# Altium PCB PT-PWR-EPS-002_v1.PcbDoc (part 1 of 3)
Units mm, origin at the board's own origin, x right, y up, seen from the top; angles counter-clockwise.
Board outline 95.89 x 90.17 mm, 4 copper layers (Top Layer, Ground Plane, Power Plane, Bottom Layer), stack 1.508 mm thick; 217 components, 132 nets, 791 pads, 383 vias.
Unrouted connection lines stored in the file: 21.
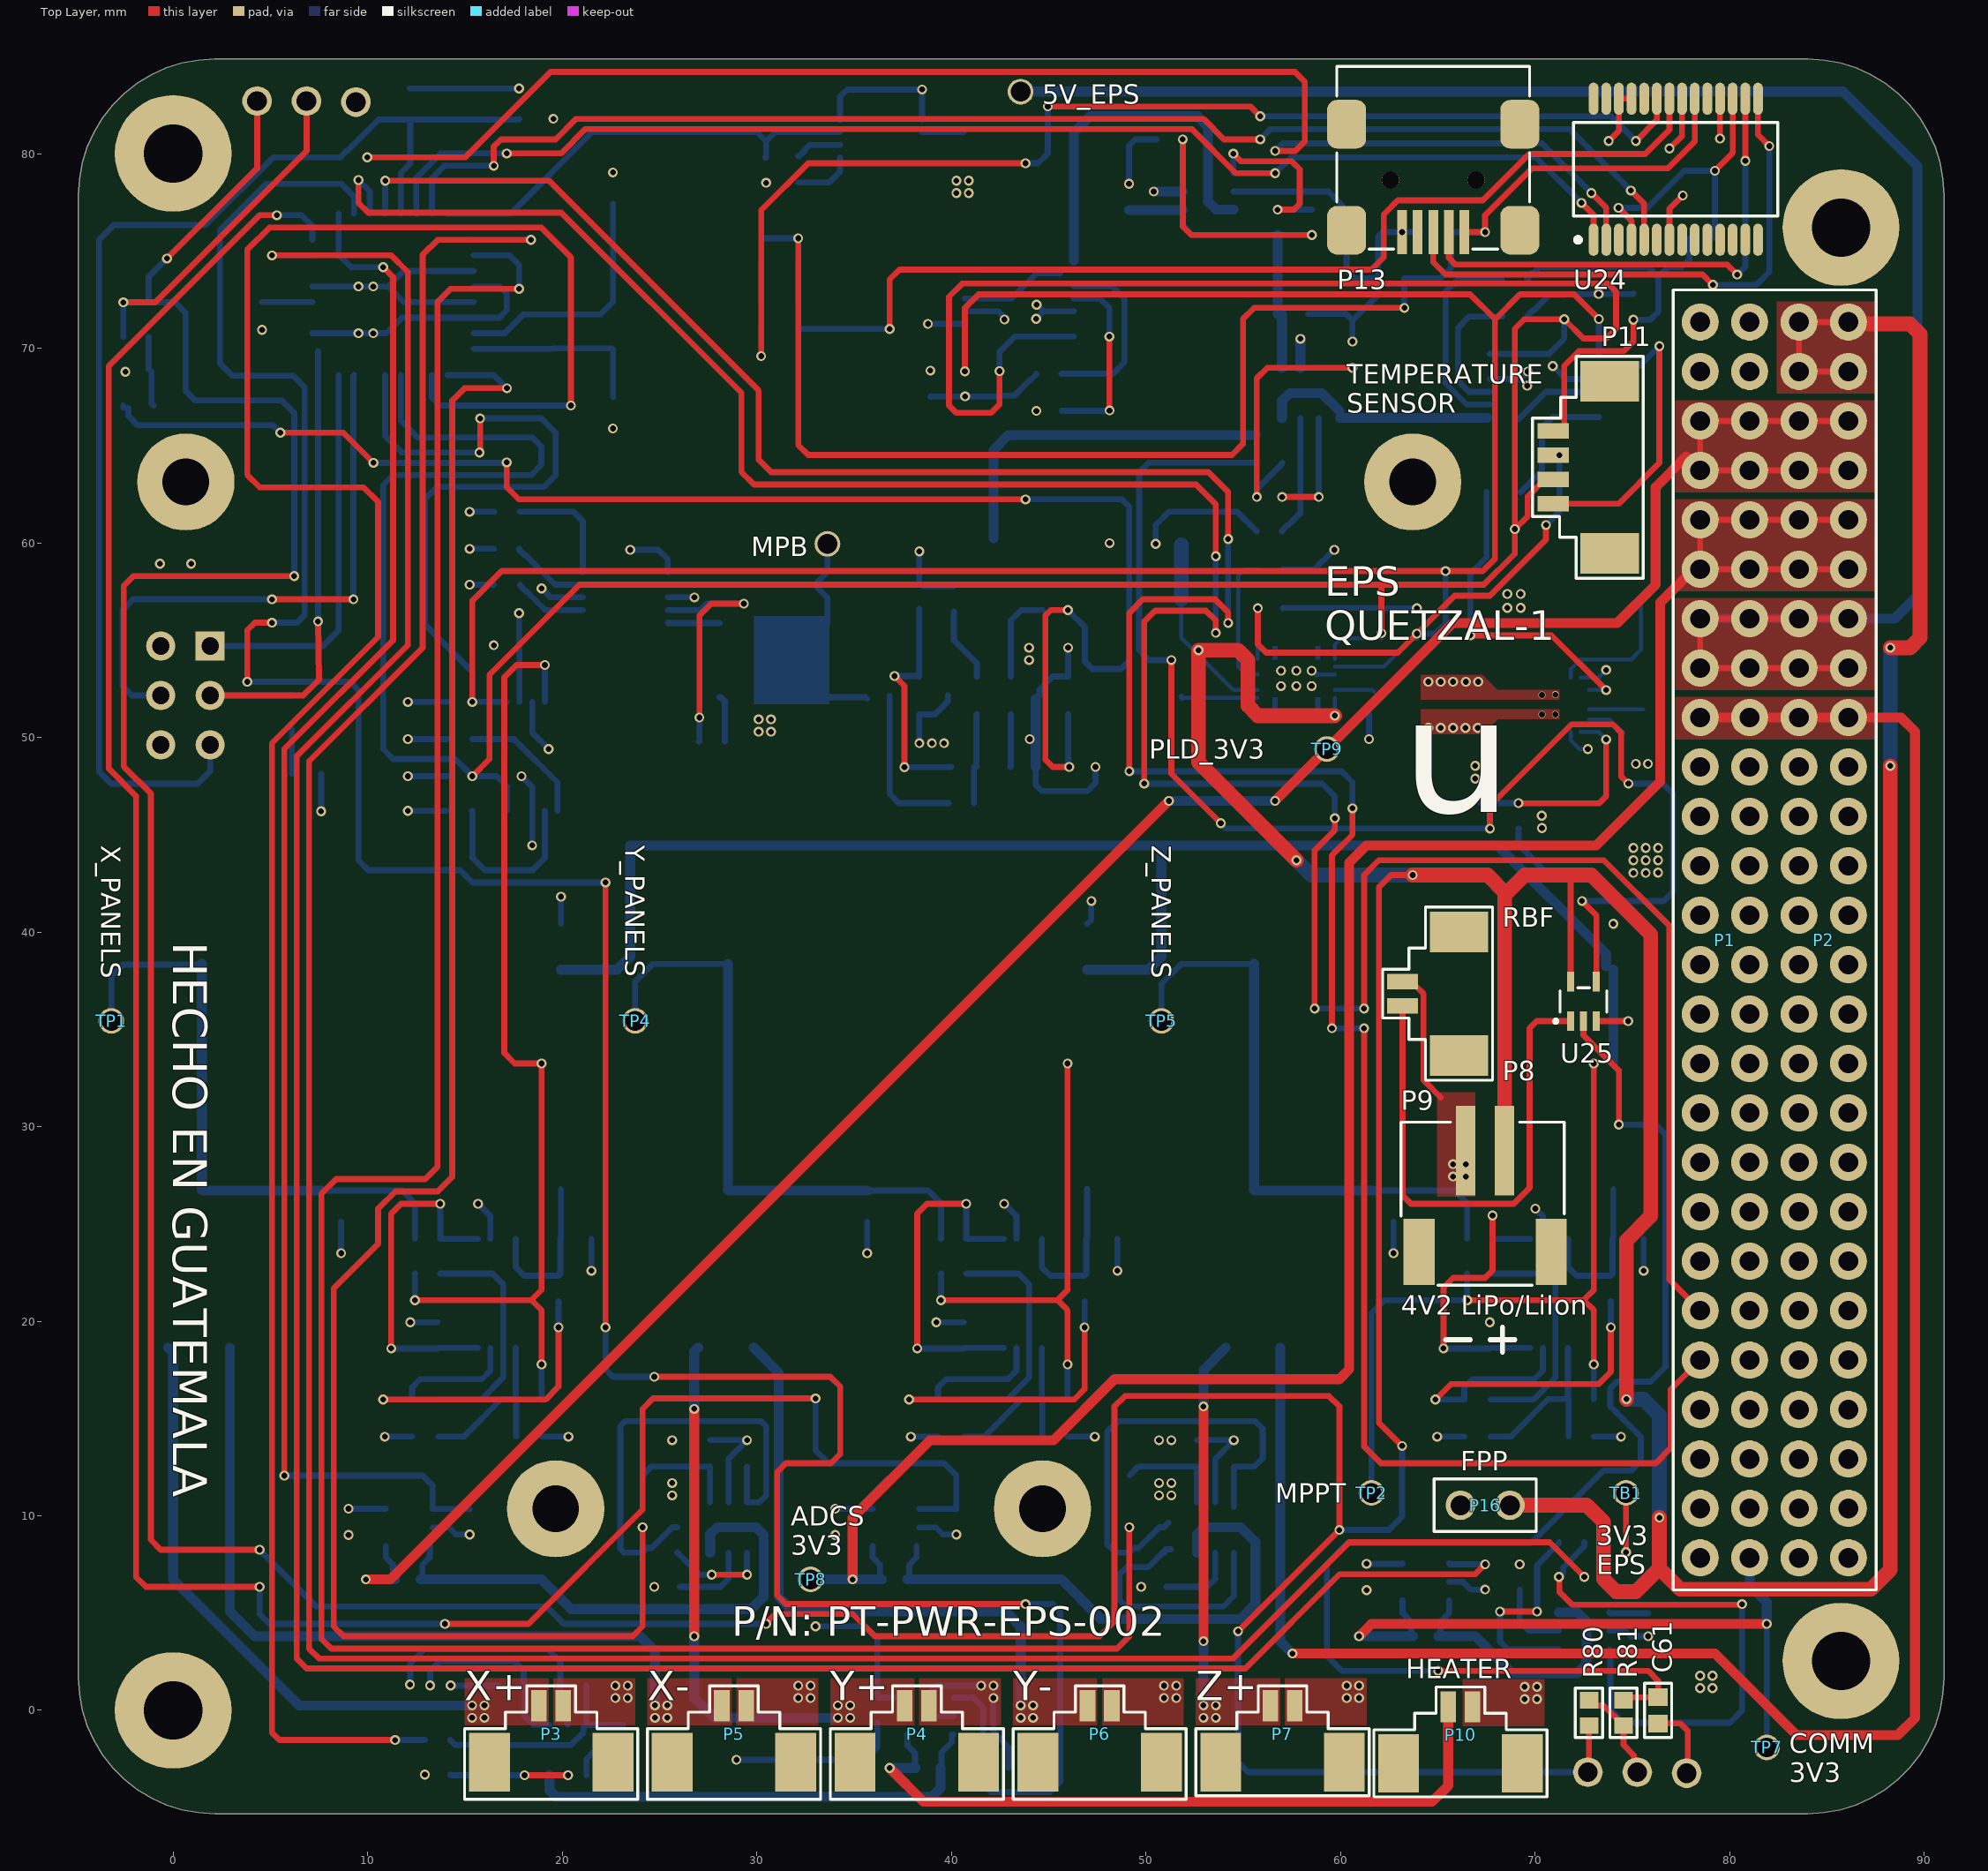
[diagram p0: Top Layer view]
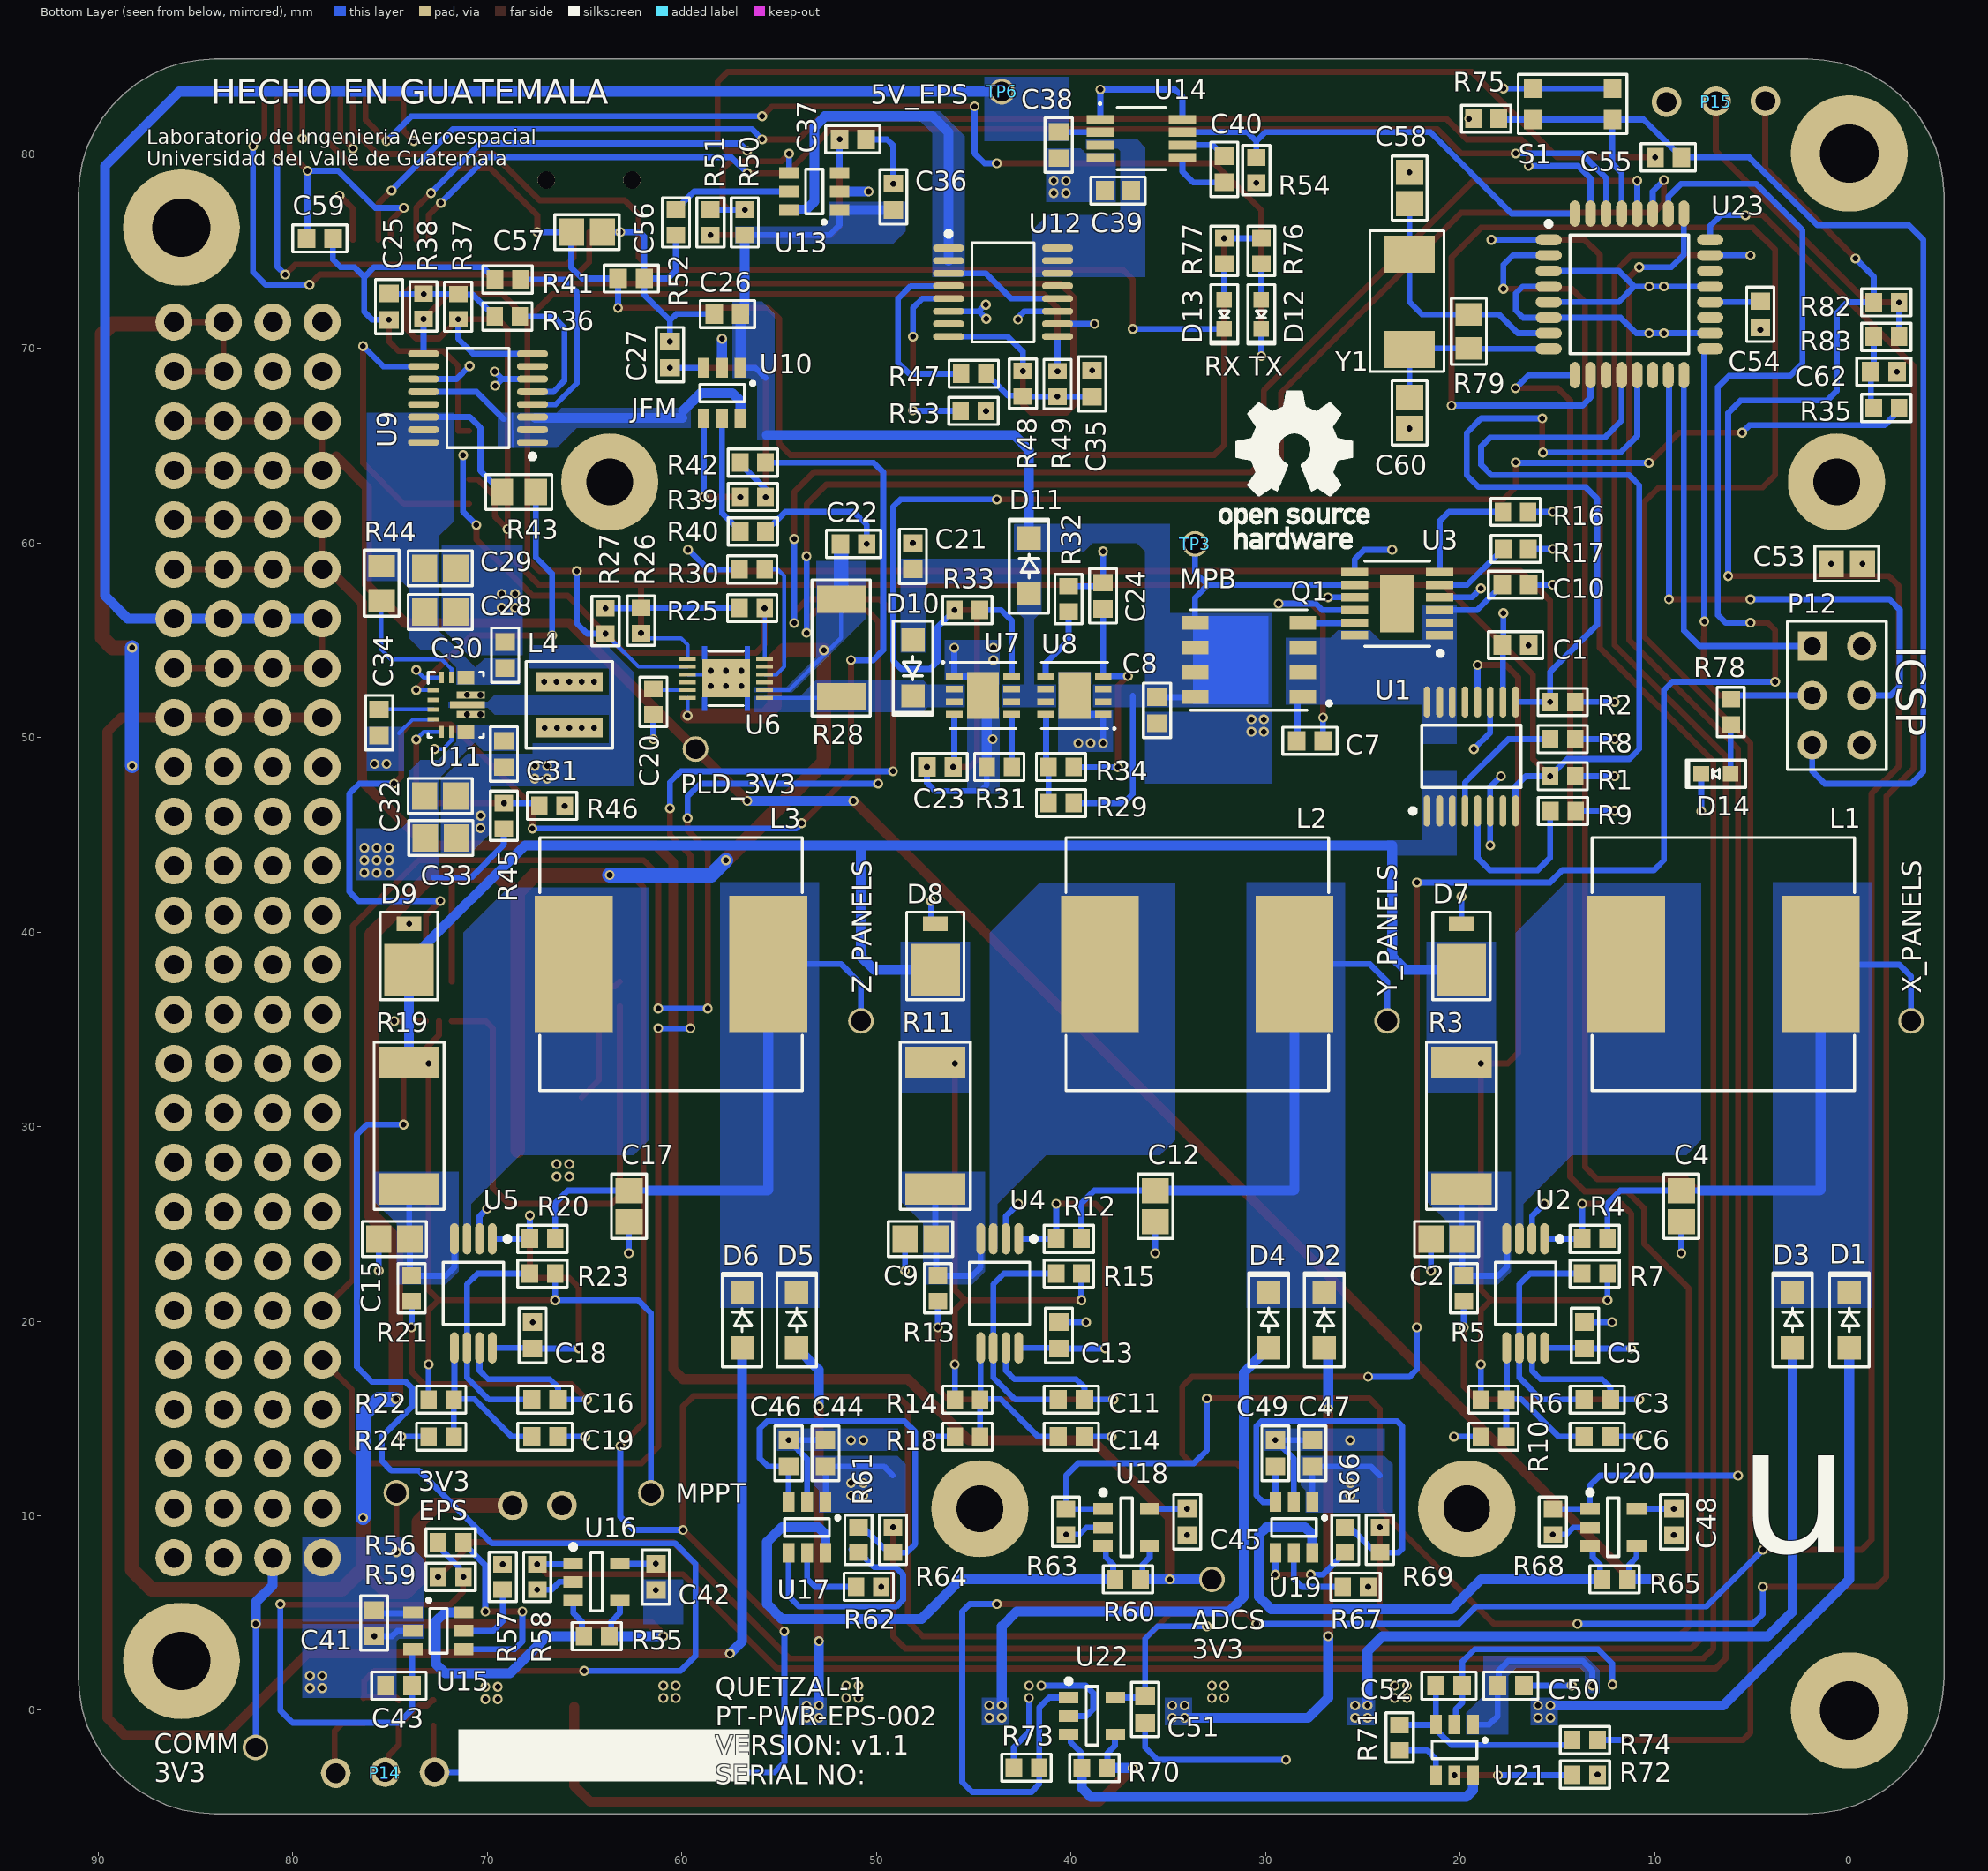
[diagram p1: Bottom Layer view, seen from below]
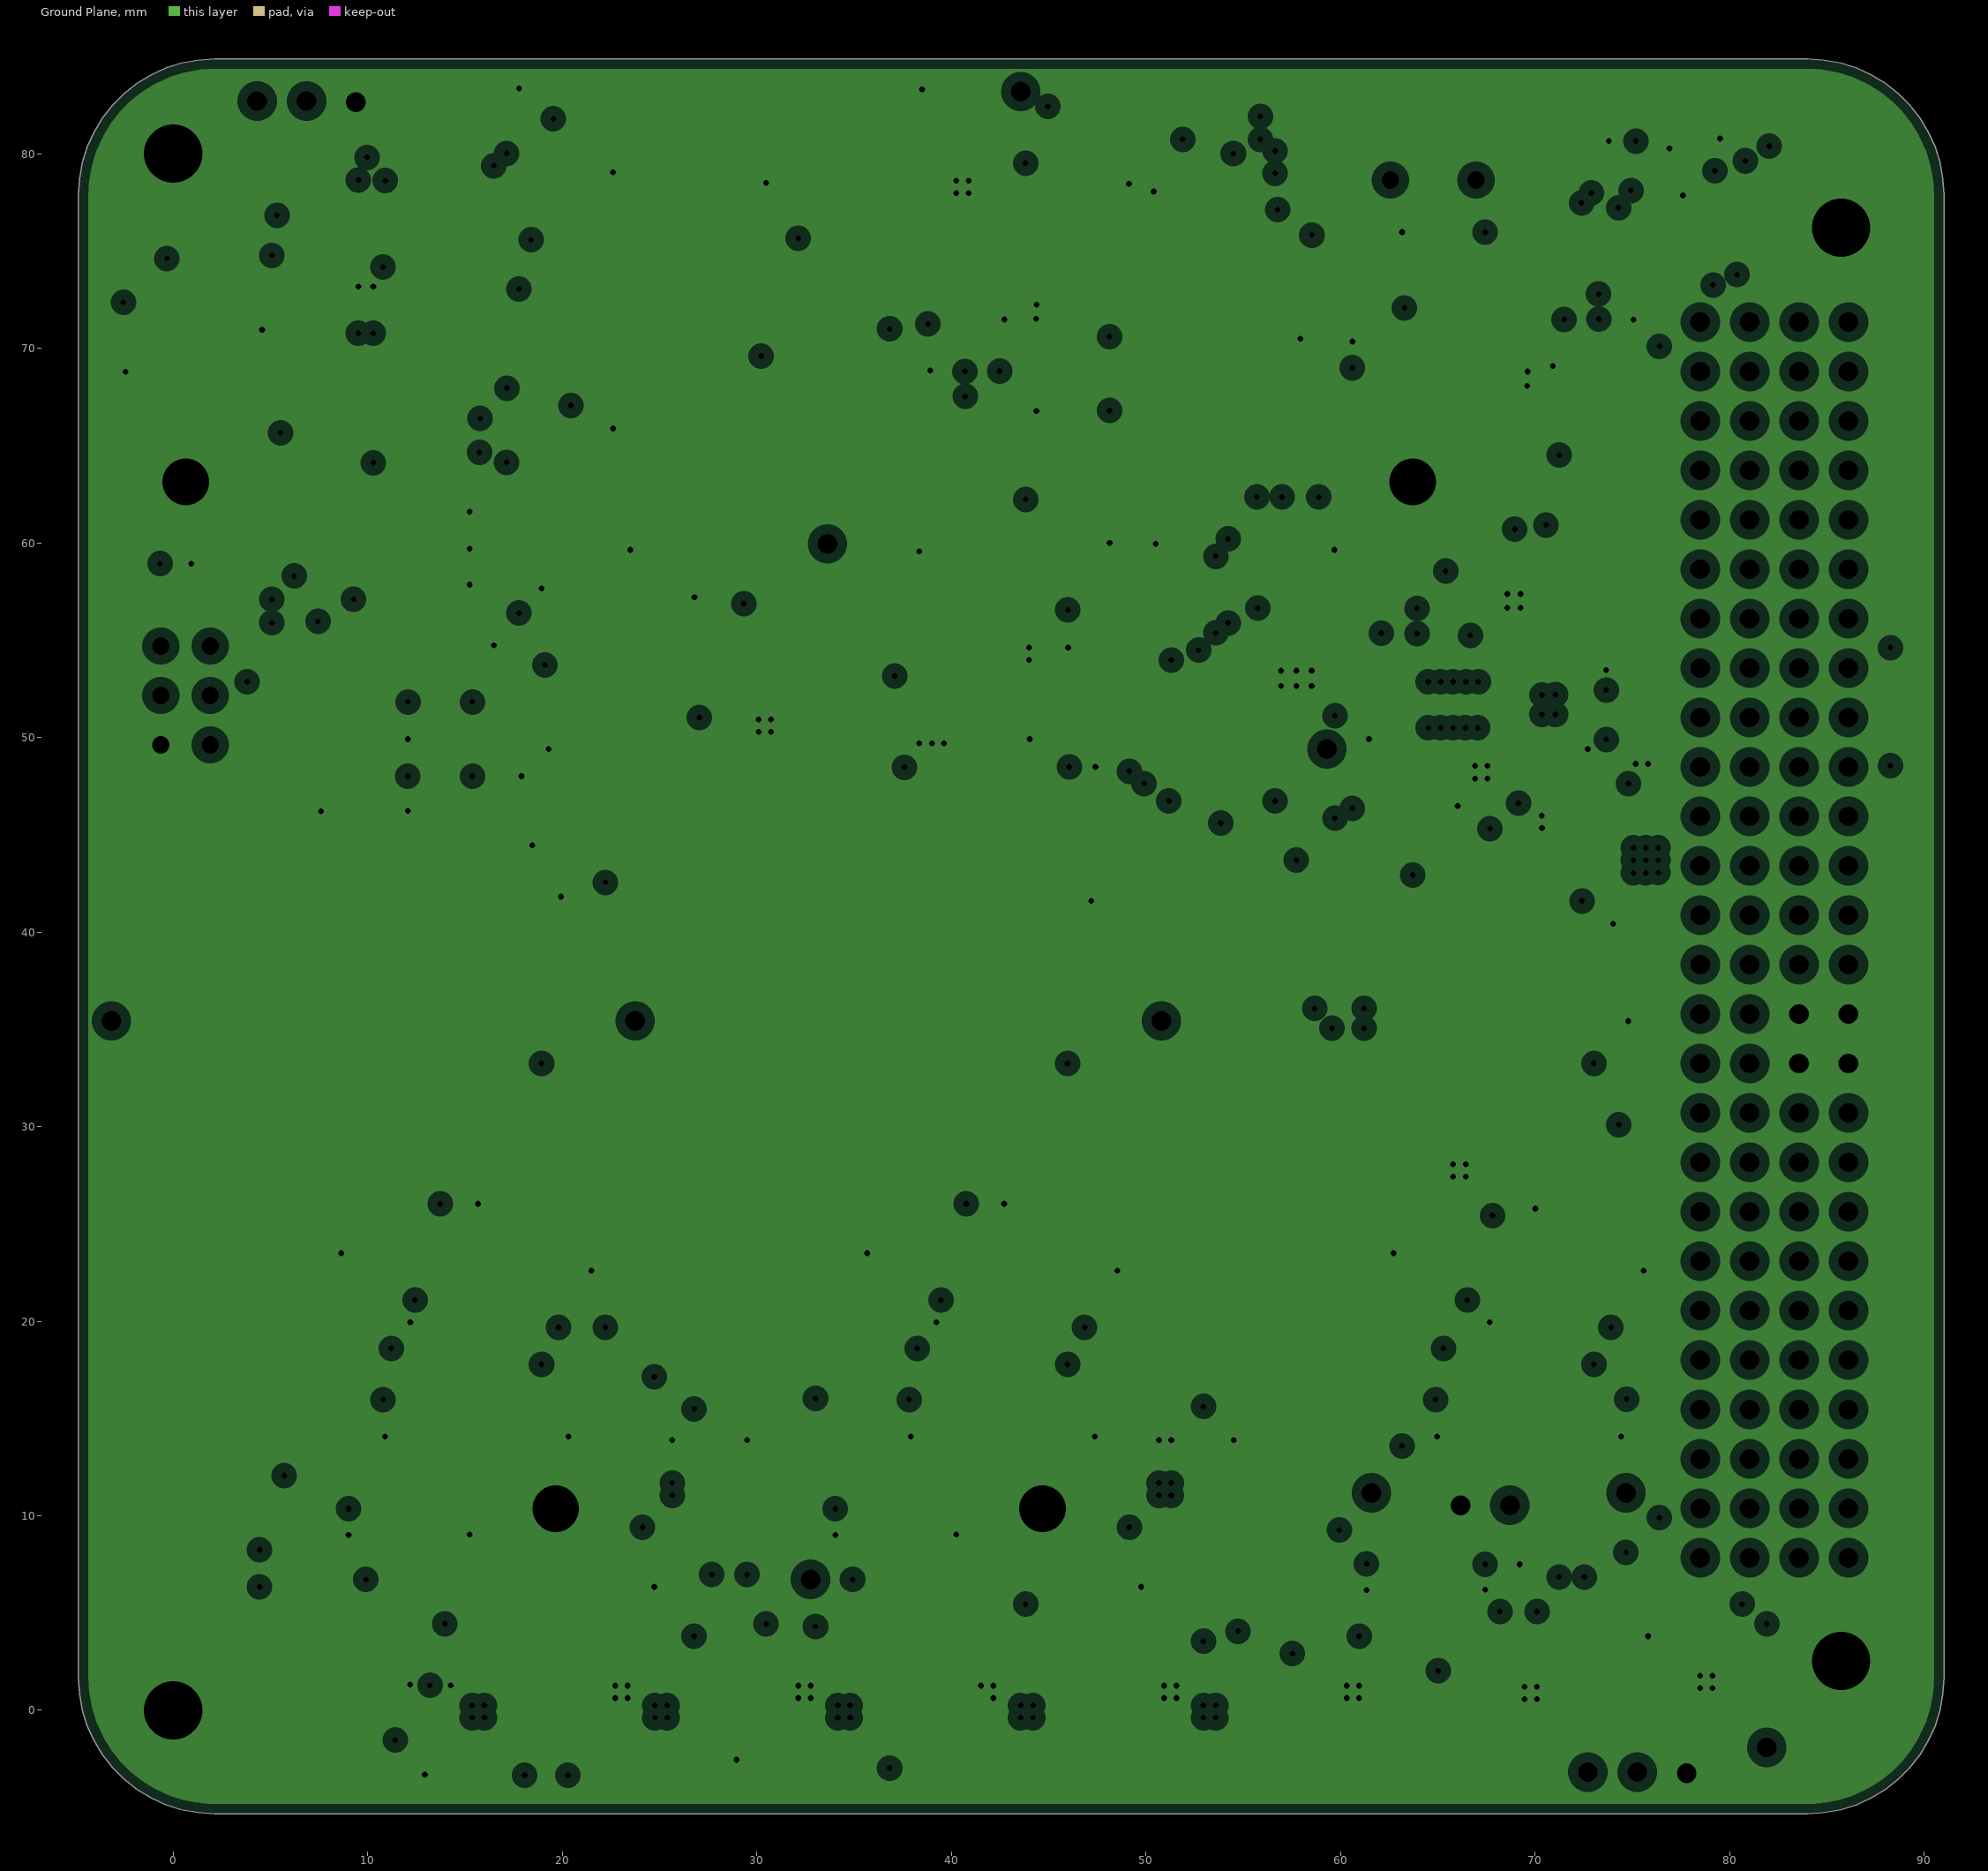
[diagram p2: Ground Plane, clearances drawn from the general rule]
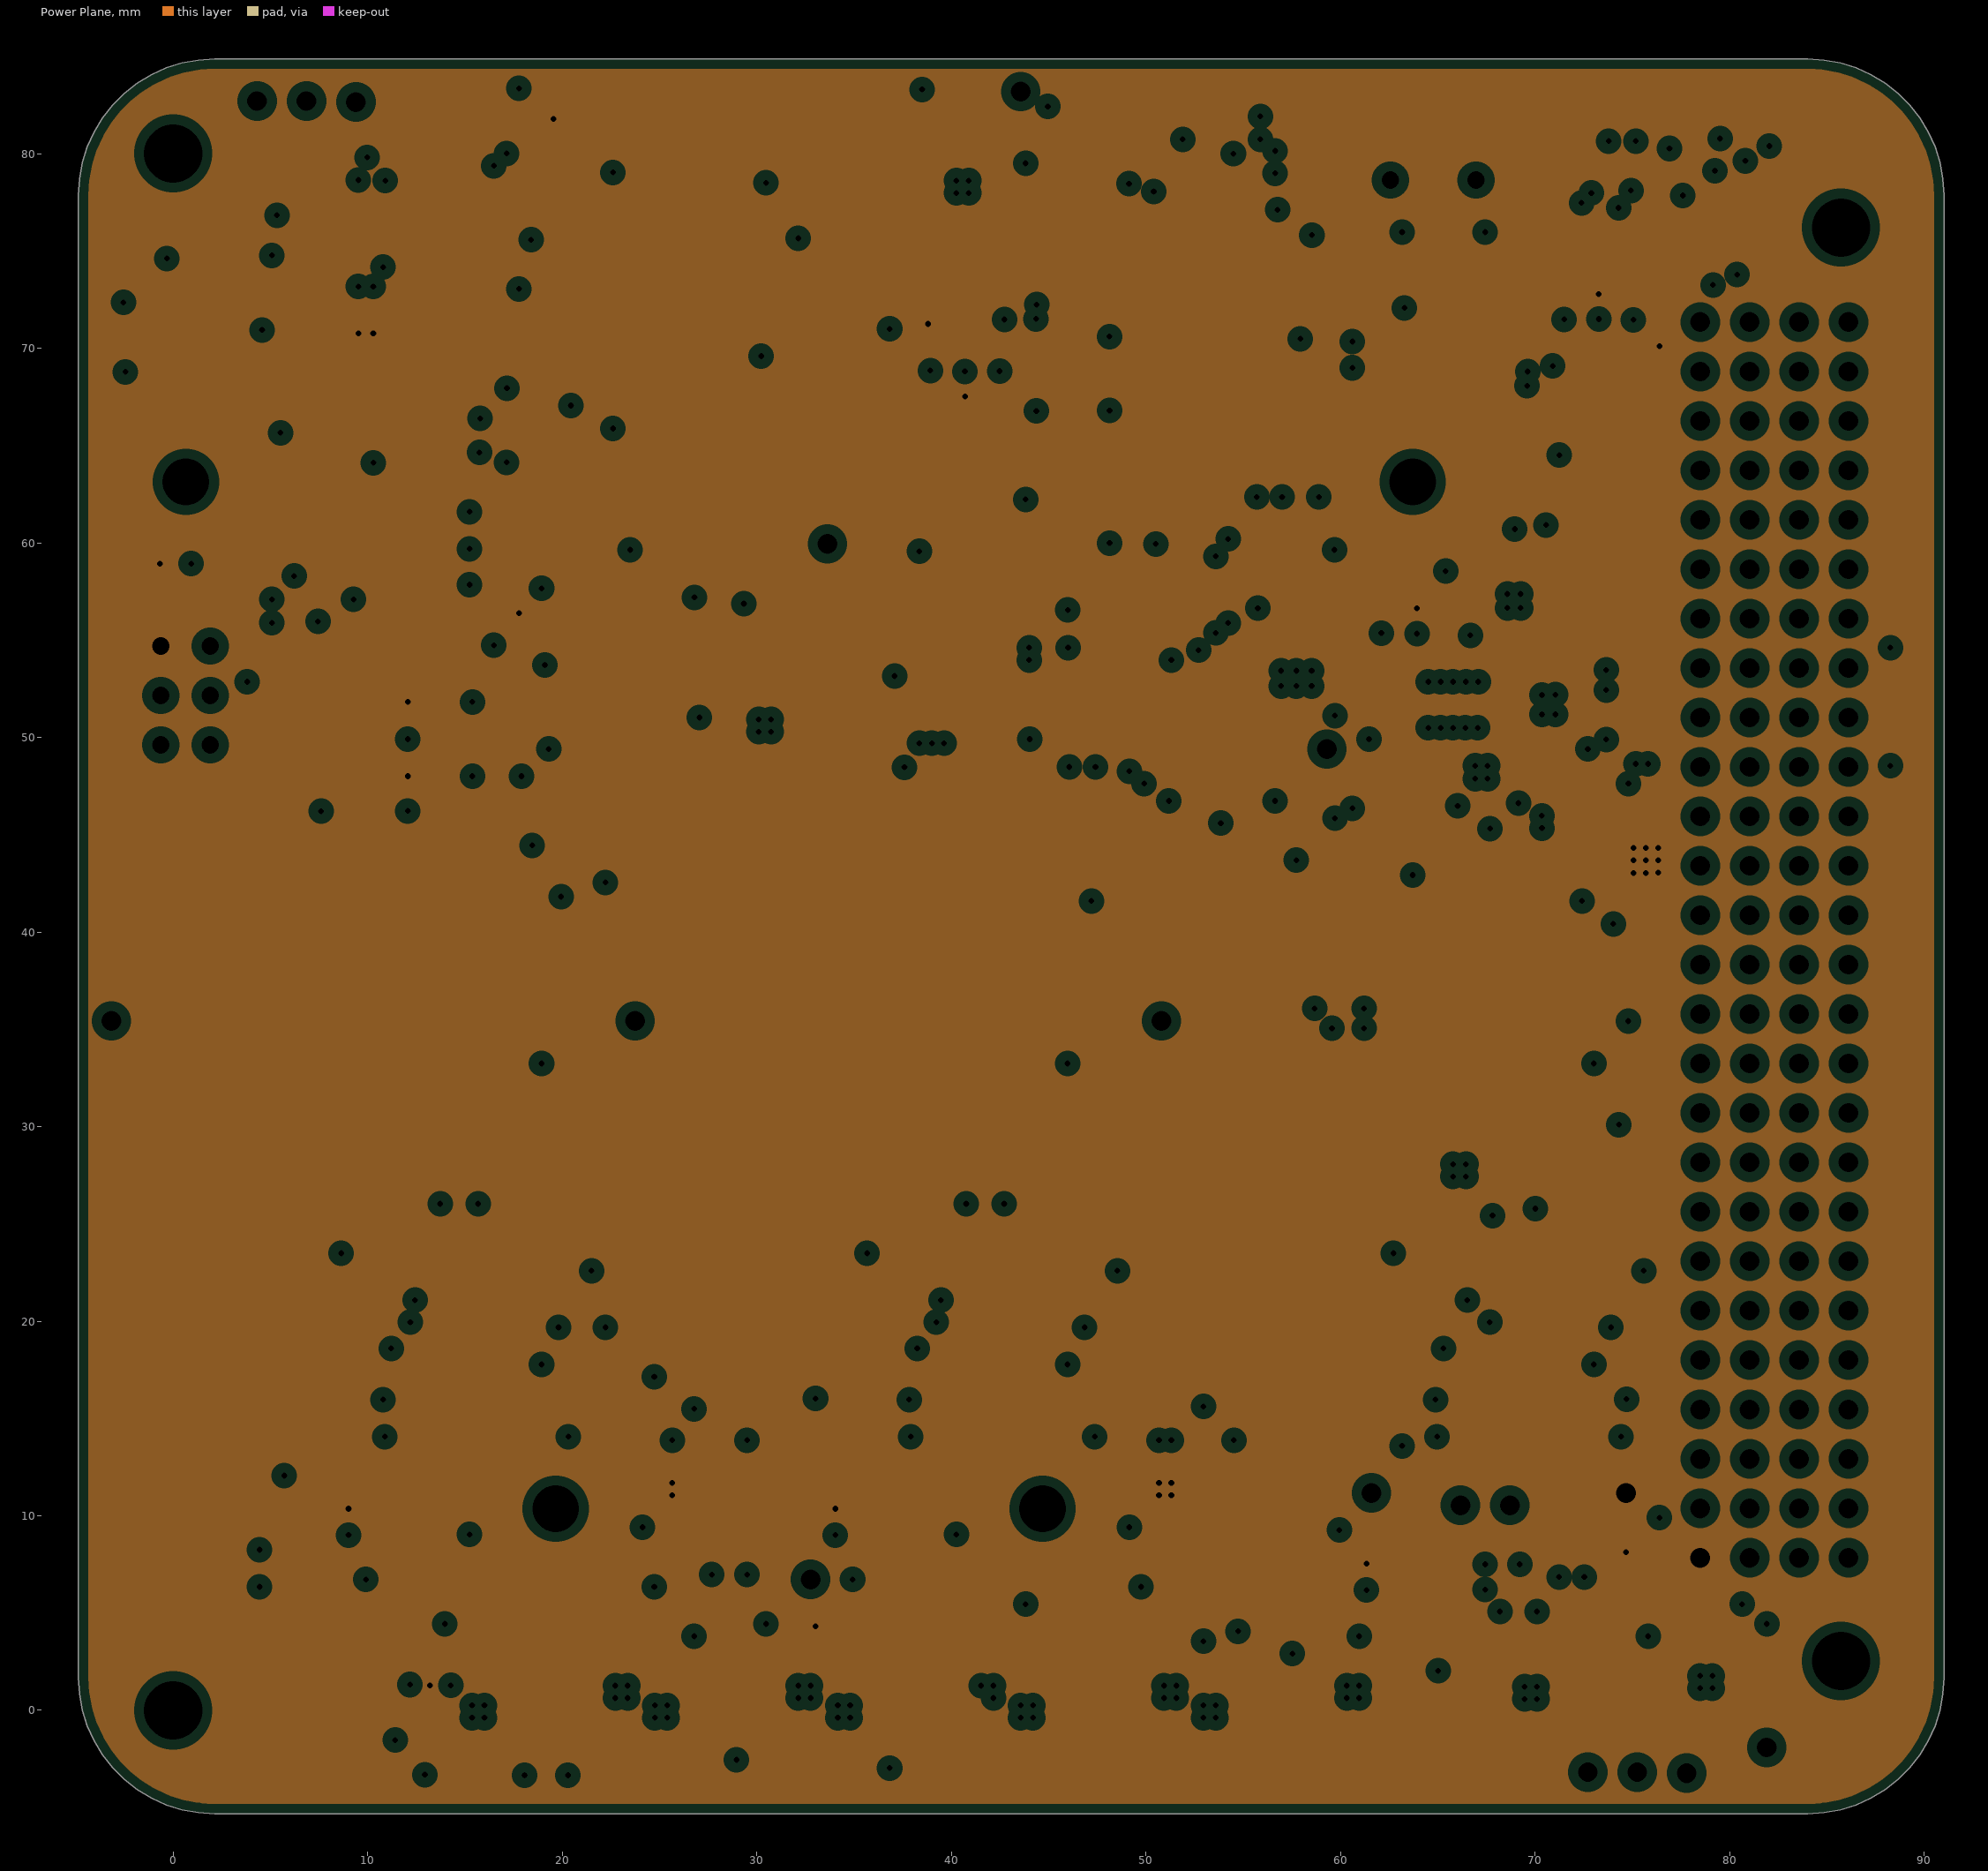
[diagram p3: Power Plane, clearances drawn from the general rule]

## Layer stack, top to bottom
Top Solder: solder mask 0.0254, SM-001, Dk 4
Top Layer: signal copper 0.035
Dielectric 1: prepreg 0.1295, PP-017, Dk 4.3
Dielectric 2: prepreg 0.1295, PP-017, Dk 4.3
Ground Plane: plane copper 0.035, net GND
Dielectric 3: core 0.85, Core-039, Dk 4.8
Power Plane: plane copper 0.035, net 3V3_EPS
Dielectric 4: prepreg 0.1295, PP-017, Dk 4.3
Dielectric 5: prepreg 0.1295, PP-017, Dk 4.3
Bottom Layer: signal copper 0.035
Bottom Solder: solder mask 0.0254, SM-001, Dk 4

## Board outline
-4.865,1.69 -4.814,0.846 -4.662,0.015 -4.41,-0.792 -4.063,-1.563 -3.626,-2.286 -3.105,-2.952 -2.507,-3.55 -1.841,-4.071 -1.118,-4.508 -0.347,-4.855 0.46,-5.107 1.291,-5.259 2.135,-5.31 84.02,-5.31 84.864,-5.259 85.695,-5.107 86.502,-4.855 87.273,-4.508 87.996,-4.071 88.662,-3.55 89.26,-2.952 89.781,-2.286 90.218,-1.563 90.565,-0.792 90.817,0.015 90.969,0.846 91.02,1.69 91.02,77.86 90.969,78.704 90.817,79.535 90.565,80.342 90.218,81.113 89.781,81.836 89.26,82.502 88.662,83.1 87.996,83.621 87.273,84.058 86.502,84.405 85.695,84.657 84.864,84.809 84.02,84.86 2.135,84.86 1.291,84.809 0.46,84.657 -0.347,84.405 -1.118,84.058 -1.841,83.621 -2.507,83.1 -3.105,82.502 -3.626,81.836 -4.063,81.113 -4.41,80.342 -4.662,79.535 -4.814,78.704 -4.865,77.86

## Design rules (kind name [scope] priority, off if disabled: settings)
Clearance [All] p1: gap=0.127 ignorepadtopadclearanceinfootprint=FALSE
ComponentClearance [All] p1 off: gap=0.254 collisioncheckmode=3 verticalgap=0.254 showdistances=FALSE
HoleSize [All] p1: absolutevalues=TRUE maxlimit=5 minlimit=0.025 maxpercent=80.000 minpercent=20.000
HoleToHoleClearance [All] p1: gap=0.1 allowstackedmicrovias=TRUE
MinimumSolderMaskSliver [All] p1 off: minsoldermaskwidth=0.254
PlaneClearance [All] p1: clearance=0.508
PlaneConnect [All] p1: planeconnectstyle=Direct reliefexpansion=0.508 reliefentries=4 reliefconductorwidth=0.254 reliefairgap=0.254
PolygonConnect [All] p1: connectstyle=Direct reliefconductorwidth=0.254 reliefentries=4 polygonreliefangle="90 Angle" airgapwidth=0.254
RoutingVias [All] p1: holewidth=0.711 width=1.27 viastyle="Through Hole" minholewidth=0.711 minwidth=1.27 maxholewidth=0.711 maxwidth=1.27
SilkToSolderMaskClearance [IsPad] p1 off: minsilkscreentomaskgap=0.254 clearancetoexposedcopper=TRUE
SolderMaskExpansion [All] p1: expansion=0.102
Width [All] p1: maxlimit=2.54 minlimit=0.127 preferedwidth=0.305
23 further rules are at their usual default settings.

## Classes and differential pairs
component class "[09] - MICROCONTROLLER UNIT": C53 C54 C55 C56 C57 C58 C59 C60 D12 D13 D14 P12 P13 R75 R76 R77 R78 R79 S1 U23 U24 Y1
component class "[08] - POWER CONTROL AND DISTRIBUTION": C41 C42 C43 C44 C45 C46 C47 C48 C49 C50 C51 C52 R55 R56 R57 R58 R59 R60 R61 R62 R63 R64 R65 R66 R67 R68 R69 R70 R71 R72 R73 R74 TP7 TP8 TP9 U15 U16 U17 U18 U19 U20 U21 U22
component class "[07] - 5V VOLTAGE REGULATOR": C35 C36 C37 C38 C39 C40 R47 R48 R49 R50 R51 R52 R53 R54 TP6 U12 U13 U14
component class "[06] - 3V3 VOLTAGE REGULATOR": C25 C26 C27 C28 C29 C30 C31 C32 C33 C34 L4 R36 R37 R38 R39 R40 R41 R42 R43 R44 R45 R46 TB1 U9 U10 U11
component class "[05] - ENERGY STORAGE AND PROTECTION": C20 C21 C22 C23 C24 D10 D11 R25 R26 R27 R28 R29 R30 R31 R32 R33 R34 R35 U6 U7 U8
component class "[10] - DEPLOYMENT SWITCHES AND RBF": C61 C62 P14 P15 P16 R80 R81 R82 R83 U25
component class "[04] - POWER HARVESTING SYSTEM": C1 C2 C3 C4 C5 C6 C7 C8 C9 C10 C11 C12 C13 C14 C15 C16 C17 C18 C19 D7 D8 D9 L1 L2 L3 Q1 R1 R2 R3 R4 R5 R6 R7 R8 R9 R10 R11 R12 R13 R14 R15 R16 R17 R18 R19 R20 R21 R22 R23 R24 TP1 TP2 TP3 TP4 TP5 U1 U2 U3 U4 U5
component class "[03] - CONNECTORS": D1 D2 D3 D4 D5 D6 P1 P2 P3 P4 P5 P6 P7 P8 P9 P10 P11
